# Altium PCB VOU_SOM_CV_V0.0.1.PcbDoc (part 3 of 4) (continued)
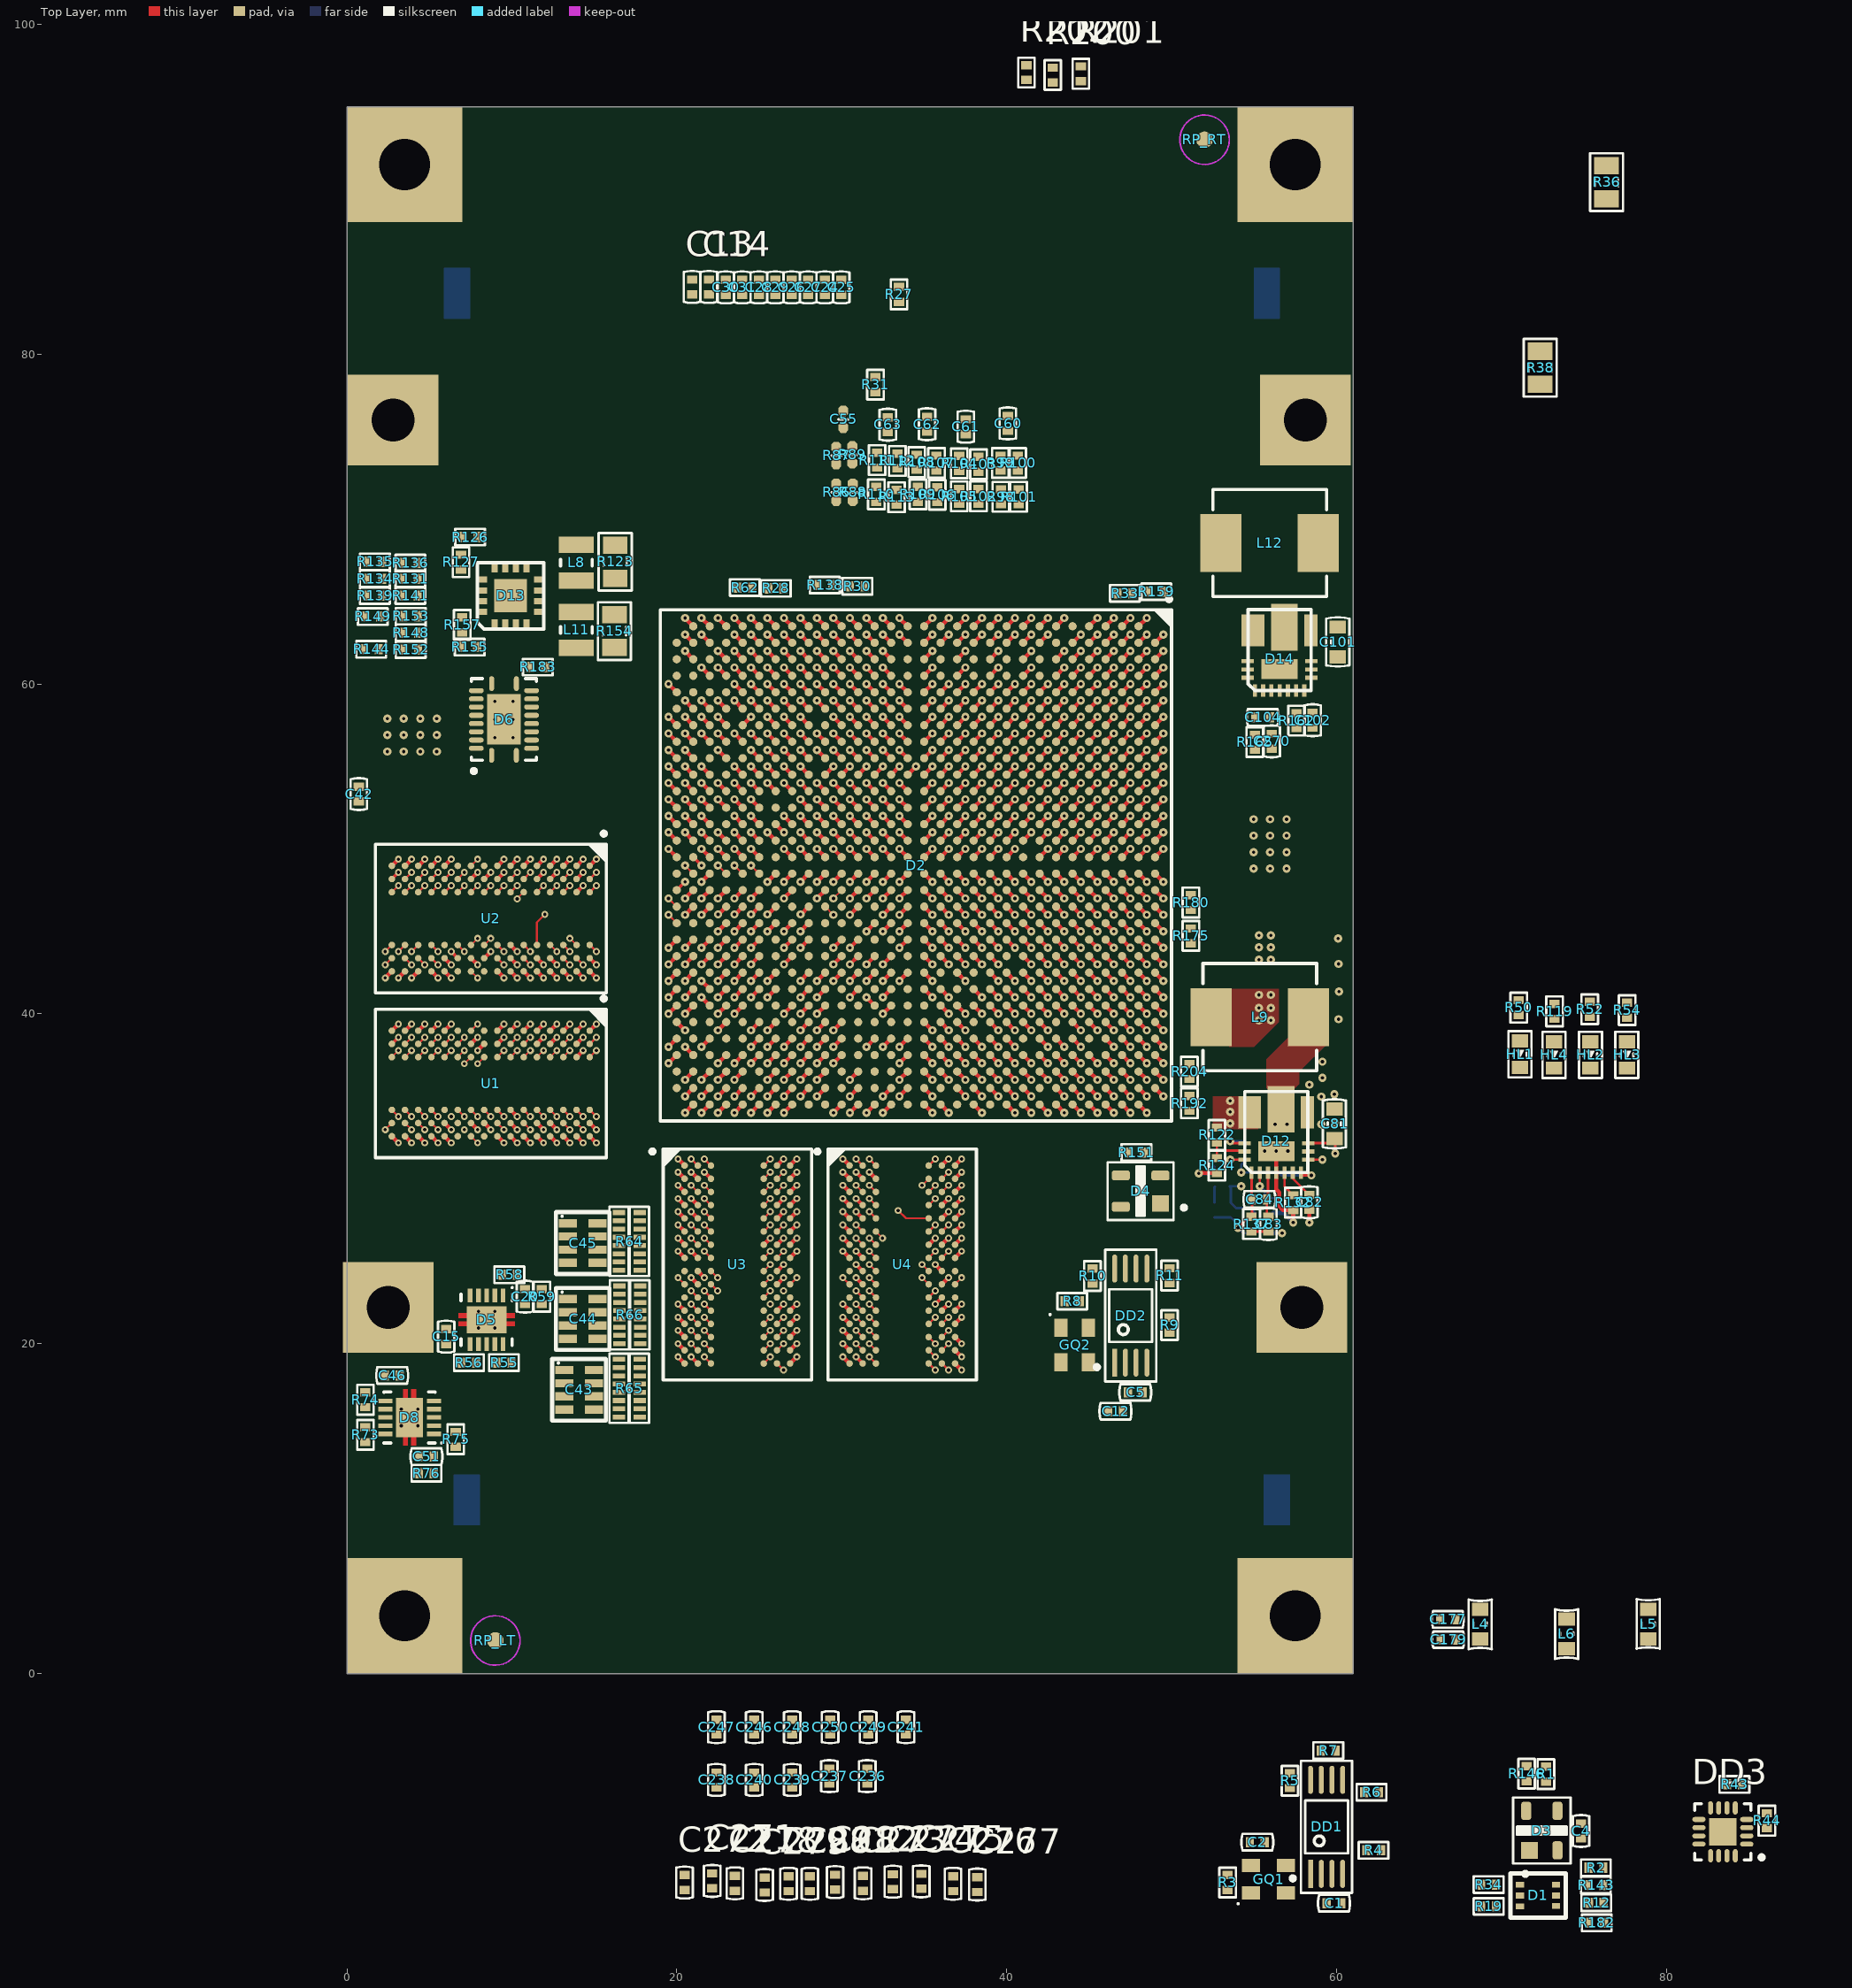
[diagram p0: Top Layer view]
## Nets (pads, with @x,y where several pads share a name; then routed paths per layer and width w, separated by ;. In a path a pad name is that pad's centre, name@x,y a point inside that pad or via, vN(x,y) a via of type N, cw(c..) or ccw(c..) an arc to the next point about the centre after c; other vN are vias at no path point) (continued)
  Top Layer w0.25: v2(2.325,42.175) U2.T9@2.725,42.575 ; U1.T9@2.725,32.575 v2(3.125,32.175) ; U1.T1@2.725,38.975 v2(3.125,39.375) ; U2.T1@2.725,48.975 v2(3.125,49.375) ; v2(3.925,42.175) U2.P9@4.325,42.575 ; U1.P9@4.325,32.575 v2(4.725,32.175) ; U1.P1@4.325,38.975 v2(4.725,39.375) ; U2.P1@4.325,48.975 v2(4.725,49.375) ; U1.M9@5.925,32.575 v2(6.325,32.175) ; U1.M1@5.925,38.975 v2(6.325,39.375) ; U2.M9@5.925,42.575 v2(6.325,42.175) ; U2.M1@5.925,48.975 v2(6.325,49.375) ; v2(7.925,37.775) U1.J2@8.325,38.175 ; U1.J8@8.325,33.375 v2(8.725,32.975) ; U2.J8@8.325,43.375 v2(8.725,43.775) ; U2.J2@8.325,48.175 v2(8.725,48.575) ; U1.G9@9.925,32.575 v2(10.325,32.175) ; U1.G8@9.925,33.375 v2(10.325,32.975) ; U1.G1@9.925,38.975 v2(10.325,39.375) ; U2.G9@9.925,42.575 v2(10.325,42.175) ; U2.G8@9.925,43.375 v2(10.325,42.975) ; U2.G1@9.925,48.975 v2(10.325,49.375) ; U1.F9@10.725,32.575 v2(11.125,32.175) ; U2.F9@10.725,42.575 v2(11.125,42.175) ; U1.E8@11.525,33.375 v2(11.925,32.975) ; U1.E2@11.525,38.175 v2(11.925,38.575) ; U1.E1@11.525,38.975 v2(11.925,39.375) ; U2.E8@11.525,43.375 v2(11.925,42.975) ; U2.E2@11.525,48.175 v2(11.925,48.575) ; U2.E1@11.525,48.975 v2(11.925,49.375) ; U1.D8@12.325,33.375 v2(12.725,32.975) ; U1.D1@12.325,38.975 v2(12.725,39.375) ; U2.D8@12.325,43.375 v2(12.725,42.975) ; U2.D1@12.325,48.975 v2(12.725,49.375) ; U1.B9@13.925,32.575 v2(14.325,32.175) ; U1.B3@13.925,37.375 v2(14.325,37.775) ; U1.B1@13.925,38.975 v2(14.325,39.375) ; U2.B9@13.925,42.575 v2(14.325,42.175) ; U2.B3@13.925,47.375 v2(14.325,47.775) ; U2.B1@13.925,48.975 v2(14.325,49.375) ; U1.A9@14.725,32.575 v2(15.125,32.175) ; U2.A9@14.725,42.575 v2(15.125,42.175) ; v1(19.5,50) D2.AK15@20,49.5 ; v1(19.5,60) D2.AK5@20,59.5 ; D2.AK25@20,39.5 v1(20.5,39) ; v2(20.075,19.2) U3.T1@20.475,18.8 ; v2(20.075,20.8) U3.P1@20.475,20.4 ; v2(20.075,22.4) U3.M1@20.475,22 ; v2(20.075,26.4) U3.G1@20.475,26 ; v2(20.075,28) U3.E1@20.475,27.6 ; v2(20.075,28.8) U3.D1@20.475,28.4 ; v2(20.075,30.4) U3.B1@20.475,30 ; v1(20.5,34) D2.AJ30@21,34.5 ; v1(20.5,36) D2.AJ28@21,36.5 ; v1(20.5,42) D2.AJ22@21,42.5 ; v1(20.5,46) D2.AJ18@21,46.5 ; v1(20.5,55) D2.AJ10@21,54.5 ; v1(20.5,58) D2.AJ7@21,57.5 ; v1(20.5,62) D2.AJ3@21,61.5 ; v2(20.875,28) U3.E2@21.275,27.6 ; U3.J2@21.275,24.4 v2(21.675,24) ; v1(21.5,36) D2.AH28@22,36.5 ; v1(21.5,43) D2.AH21@22,43.5 ; v1(21.5,54) D2.AH11@22,53.5 ; v1(21.5,59) D2.AH6@22,58.5 ; v1(21.5,64) D2.AH1@22,63.5 ; v2(21.675,30.4) U3.B3@22.075,30 ; v1(22.5,40) D2.AG24@23,40.5 ; v1(22.5,51) D2.AG14@23,50.5 ; v1(22.5,56) D2.AG9@23,55.5 ; v1(23.5,37) D2.AF27@24,37.5 ; v1(23.5,47) D2.AF17@24,47.5 ; v1(23.5,50) D2.AF15@24,49.5 ; v1(23.5,53) D2.AF12@24,52.5 ; v1(23.5,62) D2.AF3@24,61.5 ; v1(23.5,63) D2.AF2@24,62.5 ; v1(23.5,64) D2.AF1@24,63.5 ; v1(24.5,44) D2.AE20@25,44.5 ; v1(24.5,55) D2.AE10@25,54.5 ; v1(24.5,61) D2.AE4@25,60.5 ; v1(24.5,62) D2.AE3@25,61.5 ; v1(25.5,41) D2.AD23@26,41.5 ; v1(25.5,59) D2.AD6@26,58.5 ; v1(25.5,60) D2.AD5@26,59.5 ; v1(25.5,63) D2.AD2@26,62.5 ; v1(25.5,64) D2.AD1@26,63.5 ; U3.J8@26.075,24.4 v2(26.475,24.8) ; U3.G8@26.075,26 v2(26.475,26.4) ; U3.E8@26.075,27.6 v2(26.475,28) ; U3.D8@26.075,28.4 v2(26.475,28.8) ; v1(26.5,38) D2.AC26@27,38.5 ; v1(26.5,40) D2.AC24@27,40.5 ; v1(26.5,48) D2.AC16@27,48.5 ; v1(26.5,57) D2.AC8@27,56.5 ; v1(26.5,59) D2.AC6@27,58.5 ; v1(26.5,61) D2.AC4@27,60.5 ; v1(26.5,62) D2.AC3@27,61.5 ; U3.T9@26.875,18.8 v2(27.275,19.2) ; U3.P9@26.875,20.4 v2(27.275,20.8) ; U3.M9@26.875,22 v2(27.275,22.4) ; U3.G9@26.875,26 v2(27.275,26.4) ; U3.F9@26.875,26.8 v2(27.275,27.2) ; U3.B9@26.875,30 v2(27.275,30.4) ; U3.A9@26.875,30.8 v2(27.275,31.2) ; v1(27.5,35) D2.AB29@28,35.5 ; v1(27.5,45) D2.AB19@28,45.5 ; v1(27.5,58) D2.AB7@28,57.5 ; v1(27.5,60) D2.AB5@28,59.5 ; v1(27.5,63) D2.AB2@28,62.5 ; v1(27.5,64) D2.AB1@28,63.5 ; v1(28.5,35) D2.AA29@29,35.5 ; v1(28.5,42) D2.AA22@29,42.5 ; v1(28.5,54) D2.AA11@29,53.5 ; v1(28.5,56) D2.AA9@29,55.5 ; v1(28.5,59) D2.AA6@29,58.5 ; v1(28.5,61) D2.AA4@29,60.5 ; v1(28.5,62) D2.AA3@29,61.5 ; v1(29.5,34) D2.Y30@30,34.5 ; v1(29.5,37) D2.Y27@30,37.5 ; v1(29.5,39) D2.Y25@30,39.5 ; v1(29.5,44) D2.Y20@30,44.5 ; v1(29.5,50) D2.Y15@30,49.5 ; v1(29.5,51) D2.Y14@30,50.5 ; v1(29.5,53) D2.Y12@30,52.5 ; v1(29.5,57) D2.Y8@30,56.5 ; v1(29.5,58) D2.Y7@30,57.5 ; v1(29.5,60) D2.Y5@30,59.5 ; v1(29.5,63) D2.Y2@30,62.5 ; v1(29.5,64) D2.Y1@30,63.5 ; D2.Y10@30,54.5 v1(30.5,55) ; v2(30.075,19.2) U4.T1@30.475,18.8 ; v2(30.075,20.8) U4.P1@30.475,20.4 ; v2(30.075,22.4) U4.M1@30.475,22 ; v2(30.075,26.4) U4.G1@30.475,26 ; v2(30.075,28) U4.E1@30.475,27.6 ; v2(30.075,28.8) U4.D1@30.475,28.4 ; v2(30.075,30.4) U4.B1@30.475,30 ; v1(30.5,36) D2.W28@31,36.5 ; v1(30.5,46) D2.W18@31,46.5 ; v1(30.5,52) D2.W13@31,51.5 ; v1(30.5,54) D2.W11@31,53.5 ; v1(30.5,56) D2.W9@31,55.5 ; v1(30.5,59) D2.W6@31,58.5 ; v1(30.5,61) D2.W4@31,60.5 ; v1(30.5,62) D2.W3@31,61.5 ; v2(30.875,24.8) U4.J2@31.275,24.4 ; v2(30.875,28) U4.E2@31.275,27.6 ; v1(31.5,43) D2.V21@32,43.5 ; v1(31.5,45) D2.V19@32,45.5 ; v1(31.5,51) D2.V14@32,50.5 ; v1(31.5,53) D2.V12@32,52.5 ; v1(31.5,58) D2.V7@32,57.5 ; v1(31.5,60) D2.V5@32,59.5 ; v1(31.5,63) D2.V2@32,62.5 ; v1(31.5,64) D2.V1@32,63.5 ; v2(31.675,30.4) U4.B3@32.075,30 ; D2.V10@32,54.5 v1(32.5,55) ; v1(32.5,35) D2.U29@33,35.5 ; v1(32.5,40) D2.U24@33,40.5 ; v1(32.5,42) D2.U22@33,42.5 ; v1(32.5,47) D2.U17@33,47.5 ; v1(32.5,50) D2.U15@33,49.5 ; v1(32.5,52) D2.U13@33,51.5 ; v1(32.5,54) D2.U11@33,53.5 ; v1(32.5,56) D2.U9@33,55.5 ; v1(32.5,59) D2.U6@33,58.5 ; v1(32.5,61) D2.U4@33,60.5 ; v1(32.5,62) D2.U3@33,61.5 ; v1(33.5,37) D2.T27@34,37.5 ; v1(33.5,44) D2.T20@34,44.5 ; v1(33.5,46) D2.T18@34,46.5 ; v1(33.5,48) D2.T16@34,48.5 ; v1(33.5,50) D2.T15@34,49.5 ; v1(33.5,51) D2.T14@34,50.5 ; v1(33.5,53) D2.T12@34,52.5 ; v1(33.5,58) D2.T7@34,57.5 ; v1(33.5,60) D2.T5@34,59.5 ; v1(33.5,63) D2.T2@34,62.5 ; v1(33.5,64) D2.T1@34,63.5 ; D2.T10@34,54.5 v1(34.5,55) ; D2.R30@35,34.5 v1(35.5,34) ; D2.R17@35,47.5 v1(35.5,47) ; D2.R15@35,49.5 v1(35.5,50) ; D2.R13@35,51.5 v1(35.5,52) ; D2.R11@35,53.5 v1(35.5,54) ; D2.R9@35,55.5 v1(35.5,56) ; D2.R8@35,56.5 v1(35.5,57) ; D2.R6@35,58.5 v1(35.5,59) ; D2.R4@35,60.5 v1(35.5,61) ; D2.R3@35,61.5 v1(35.5,62) ; v2(35.675,24.8) U4.J8@36.075,24.4 ; D2.P20@36,44.5 v1(36.5,44) ; D2.P18@36,46.5 v1(36.5,46) ; D2.P16@36,48.5 v1(36.5,48) ; D2.P14@36,50.5 v1(36.5,51) ; D2.P12@36,52.5 v1(36.5,53) ; D2.P10@36,54.5 v1(36.5,55) ; D2.P7@36,57.5 v1(36.5,58) ; D2.P5@36,59.5 v1(36.5,60) ; D2.P2@36,62.5 v1(36.5,63) ; D2.P1@36,63.5 v1(36.5,64) ; U4.G8@36.075,26 v2(36.475,26.4) ; U4.E8@36.075,27.6 v2(36.475,28) ; U4.D8@36.075,28.4 v2(36.475,28.8) ; U4.T9@36.875,18.8 v2(37.275,18.4) ; U4.P9@36.875,20.4 v2(37.275,20) ; U4.M9@36.875,22 v2(37.275,22.4) ; U4.G9@36.875,26 v2(37.275,26.4) ; U4.F9@36.875,26.8 v2(37.275,27.2) ; U4.B9@36.875,30 v2(37.275,30.4) ; U4.A9@36.875,30.8 v2(37.275,31.2) ; D2.N26@37,38.5 v1(37.5,38) ; D2.N19@37,45.5 v1(37.5,45) ; D2.N17@37,47.5 v1(37.5,47) ; D2.N15@37,49.5 v1(37.5,50) ; D2.N13@37,51.5 v1(37.5,52) ; D2.N11@37,53.5 v1(37.5,54) ; D2.N9@37,55.5 v1(37.5,56) ; D2.N8@37,56.5 v1(37.5,57) ; D2.N6@37,58.5 v1(37.5,59) ; D2.N4@37,60.5 v1(37.5,61) ; D2.N3@37,61.5 v1(37.5,62) ; D2.M29@38,35.5 v1(38.5,35) ; D2.M20@38,44.5 v1(38.5,44) ; D2.M18@38,46.5 v1(38.5,46) ; D2.M16@38,48.5 v1(38.5,48) ; D2.M14@38,50.5 v1(38.5,51) ; D2.M12@38,52.5 v1(38.5,53) ; D2.M10@38,54.5 v1(38.5,55) ; D2.M8@38,56.5 v1(38.5,57) ; D2.M7@38,57.5 v1(38.5,58) ; D2.M5@38,59.5 v1(38.5,60) ; D2.M2@38,62.5 v1(38.5,63) ; D2.M1@38,63.5 v1(38.5,64) ; D2.L22@39,42.5 v1(39.5,42) ; D2.L19@39,45.5 v1(39.5,45) ; D2.L17@39,47.5 v1(39.5,47) ; D2.L15@39,49.5 v1(39.5,50) ; D2.L13@39,51.5 v1(39.5,52) ; D2.L11@39,53.5 v1(39.5,54) ; D2.L6@39,58.5 v1(39.5,59) ; D2.L4@39,60.5 v1(39.5,61) ; D2.L3@39,61.5 v1(39.5,62) ; D2.K25@40,39.5 v1(40.5,39) ; D2.K20@40,44.5 v1(40.5,44) ; D2.K15@40,49.5 v1(40.5,50) ; D2.K10@40,54.5 v1(40.5,55) ; D2.K5@40,59.5 v1(40.5,60) ; D2.K2@40,62.5 v1(40.5,63) ; D2.K1@40,63.5 v1(40.5,64) ; D2.J28@41,36.5 v1(41.5,36) ; D2.J22@41,42.5 v1(41.5,42) ; D2.J18@41,46.5 v1(41.5,46) ; D2.J8@41,56.5 v1(41.5,57) ; D2.J6@41,58.5 v1(41.5,59) ; D2.J4@41,60.5 v1(41.5,61) ; D2.J3@41,61.5 v1(41.5,62) ; D2.H11@42,53.5 v1(42.5,54) ; D2.H5@42,59.5 v1(42.5,60) ; D2.H2@42,62.5 v1(42.5,63) ; D2.H1@42,63.5 v1(42.5,64) ; D2.G24@43,40.5 v1(43.5,40) ; D2.G5@43,59.5 v1(43.5,60) ; D2.G4@43,60.5 v1(43.5,61) ; D2.G3@43,61.5 v1(43.5,62) ; D2.F27@44,37.5 v1(44.5,37) ; D2.F17@44,47.5 v1(44.5,47) ; D2.F7@44,57.5 v1(44.5,58) ; D2.F5@44,59.5 v1(44.5,60) ; D2.F2@44,62.5 v1(44.5,63) ; D2.E30@45,34.5 v1(45.5,34) ; D2.E25@45,39.5 v1(45.5,39) ; D2.E22@45,42.5 v1(45.5,42) ; D2.E10@45,54.5 v1(45.5,55) ; D2.D26@46,38.5 v1(46.5,38) ; D2.D23@46,41.5 v1(46.5,41) ; D2.D13@46,51.5 v1(46.5,52) ; D2.D3@46,61.5 v1(46.5,62) ; D2.C26@47,38.5 v1(47.5,38) ; D2.C21@47,43.5 v1(47.5,43) ; D2.C16@47,48.5 v1(47.5,48) ; D2.C6@47,58.5 v1(47.5,59) ; D2.C1@47,63.5 v1(47.5,64) ; D2.B29@48,35.5 v1(48.5,35) ; D2.B24@48,40.5 v1(48.5,40) ; D2.B19@48,45.5 v1(48.5,45) ; D2.B14@48,50.5 v1(48.5,51) ; D2.B10@48,54.5 v1(48.5,55) ; D2.B9@48,55.5 v1(48.5,56) ; D2.A27@49,37.5 v1(49.5,37) ; D2.A26@49,38.5 v1(49.5,38) ; D2.A22@49,42.5 v1(49.5,42) ; D2.A17@49,47.5 v1(49.5,47) ; D2.A12@49,52.5 v1(49.5,53) ; D2.A2@49,62.5 v1(49.5,63) ; v1@51.775,30.325 v1(51.65,30.325) 51.675,30.35 R124.1@52.75,30.35
  Bottom Layer w0.25: v1(51.65,30.325) 52.15,30.325 C69.2@52.55,30.725
  other v1: 3.3,15.025 4.3,15.025 3.3,16.025 4.3,16.025 7.975,20.95 8.975,20.95 7.975,21.95 8.975,21.95 59.075,33.3 59.9,33.375 59.075,34.975 59.875,35.125 58.35,35.7 59.15,36.125 59.15,37.1 60.125,39.675 60.15,41.35 60.125,43.025 60.1,44.575
GND_A: C82.1 D12.4 D12.17 R132.2 R140.1 R142.1 R150.2 | length 8.1
  Top Layer w0.25: v1(56.35,31.675) D12.4@56.35,30.375 56.35,29.35 56.525,29.175 56.525,28.325 56.75,28.1 R132.2@57.375,28.1 v1(57.375,27.35) ; v1(58.35,27.35) C82.1@58.35,28.125
  Bottom Layer w0.25: R140.1@55.95,26.7 v1(56.7,26.7) ; R142.1@56.15,27.925 56.8,27.925 v1(57.375,27.35)
  other v1: 55.65,31.675 57.05,31.675
GND_B: C102.1 D14.4 D14.17 R162.2 R166.1 R167.1 R168.2
GXB_REF_C_CKO_N: C14.1 D2.W7 | length 0.7
  Top Layer w0.25: v1(30.5,58) D2.W7@31,57.5
GXB_REF_C_CKO_P: C13.1 D2.W8 | length 0.7
  Top Layer w0.25: v1(30.5,57) D2.W8@31,56.5
GXB_REF_CKI_N: D2.T8 X2.120 | length 0.7
  Top Layer w0.25: v1(33.5,57) D2.T8@34,56.5
GXB_REF_CKI_P: D2.T9 X2.124 | length 0.7
  Top Layer w0.25: v1(33.5,56) D2.T9@34,55.5
GXB_REF_CKO_N: C14.2 X2.121
GXB_REF_CKO_P: C13.2 X2.125
GXB_RXA0_N: D2.L1 X2.88 | length 0.7
  Top Layer w0.25: D2.L1@39,63.5 v1(39.5,64)
GXB_RXA0_P: D2.L2 X2.92 | length 0.7
  Top Layer w0.25: D2.L2@39,62.5 v1(39.5,63)
GXB_RXA1_N: D2.N1 X2.96 | length 0.7
  Top Layer w0.25: D2.N1@37,63.5 v1(37.5,64)
GXB_RXA1_P: D2.N2 X2.100 | length 0.7
  Top Layer w0.25: D2.N2@37,62.5 v1(37.5,63)
GXB_RXA2_N: D2.R1 X2.104 | length 0.7
  Top Layer w0.25: D2.R1@35,63.5 v1(35.5,64)
GXB_RXA2_P: D2.R2 X2.108 | length 0.7
  Top Layer w0.25: D2.R2@35,62.5 v1(35.5,63)
GXB_RXA3_N: D2.U1 X2.112 | length 0.7
  Top Layer w0.25: v1(32.5,64) D2.U1@33,63.5
GXB_RXA3_P: D2.U2 X2.116 | length 0.7
  Top Layer w0.25: v1(32.5,63) D2.U2@33,62.5
GXB_TXA0_N: C25.2 X2.89
GXB_TXA0_P: C24.2 X2.93
GXB_TXA1_N: C27.2 X2.97
GXB_TXA1_P: C26.2 X2.101
GXB_TXA2_N: C29.2 X2.105
GXB_TXA2_P: C28.2 X2.109
GXB_TXA3_N: C31.2 X2.113
GXB_TXA3_P: C30.2 X2.117
GXB_TXA_C0_N: C25.1 D2.V3 | length 0.7
  Top Layer w0.25: v1(31.5,62) D2.V3@32,61.5
GXB_TXA_C0_P: C24.1 D2.V4 | length 0.7
  Top Layer w0.25: v1(31.5,61) D2.V4@32,60.5
GXB_TXA_C1_N: C27.1 D2.Y3 | length 0.7
  Top Layer w0.25: v1(29.5,62) D2.Y3@30,61.5
GXB_TXA_C1_P: C26.1 D2.Y4 | length 0.7
  Top Layer w0.25: v1(29.5,61) D2.Y4@30,60.5
GXB_TXA_C2_N: C29.1 D2.AB3 | length 0.7
  Top Layer w0.25: v1(27.5,62) D2.AB3@28,61.5
GXB_TXA_C2_P: C28.1 D2.AB4 | length 0.7
  Top Layer w0.25: v1(27.5,61) D2.AB4@28,60.5
GXB_TXA_C3_N: C31.1 D2.AD3 | length 0.7
  Top Layer w0.25: v1(25.5,62) D2.AD3@26,61.5
GXB_TXA_C3_P: C30.1 D2.AD4 | length 0.7
  Top Layer w0.25: v1(25.5,61) D2.AD4@26,60.5
HPS_BSL0: D2.H20 R16.11 R63.2 | length 0.7
  Top Layer w0.25: D2.H20@42,44.5 v1(42.5,44)
HPS_BSL1: D2.A18 D9.1 R175.2 R180.1 | length 0.7
  Top Layer w0.25: D2.A18@49,46.5 v1(49.5,46)
HPS_BSL2: D2.D20 R174.2 | length 0.7
  Top Layer w0.25: D2.D20@46,44.5 v1(46.5,44)
HPS_CAN0_RX: D2.B22 R22.11 | length 0.7
  Top Layer w0.25: D2.B22@48,42.5 v1(48.5,42)
HPS_CAN0_RX_R: R22.6 X1.71
HPS_CAN0_TX: D2.G22 R22.12 | length 0.7
  Top Layer w0.25: D2.G22@43,42.5 v1(43.5,42)
HPS_CAN0_TX_R: R22.5 X1.73
HPS_CAN1_RX: D2.A24 R22.13 | length 0.7
  Top Layer w0.25: D2.A24@49,40.5 v1(49.5,40)
HPS_CAN1_RX_R: R22.4 X1.72
HPS_CAN1_TX: D2.G21 R22.14 | length 0.7
  Top Layer w0.25: D2.G21@43,43.5 v1(43.5,43)
HPS_CAN1_TX_R: R22.3 X1.74
HPS_CLK_25_1: D2.D25 R9.2 | length 0.7
  Top Layer w0.25: D2.D25@46,39.5 v1(46.5,39)
HPS_CLK_25_2: D2.F25 R10.2 | length 0.7
  Top Layer w0.25: D2.F25@44,39.5 v1(44.5,39)
HPS_DDR_A0: D2.F26 R64.8 U3.N3 U4.N3 | length 1.8
  Top Layer w0.12: v2(21.675,21.6) U3.N3@22.075,21.2 ; v2(31.675,21.6) U4.N3@32.075,21.2
  Top Layer w0.25: D2.F26@44,38.5 v1(44.5,38)
HPS_DDR_A1: D2.G30 R64.7 U3.P7 U4.P7 | length 1.8
  Top Layer w0.12: U3.P7@25.275,20.4 v2(25.675,20.8) ; U4.P7@35.275,20.4 v2(35.675,20)
  Top Layer w0.25: D2.G30@43,34.5 v1(43.5,34)
HPS_DDR_A2: D2.F28 R64.6 U3.P3 U4.P3 | length 1.8
  Top Layer w0.12: v2(21.675,20.8) U3.P3@22.075,20.4 ; v2(31.675,20.8) U4.P3@32.075,20.4
  Top Layer w0.25: D2.F28@44,36.5 v1(44.5,36)
HPS_DDR_A3: D2.F30 R64.5 U3.N2 U4.N2 | length 1.8
  Top Layer w0.12: v2(20.875,21.6) U3.N2@21.275,21.2 ; v2(30.875,21.6) U4.N2@31.275,21.2
  Top Layer w0.25: D2.F30@44,34.5 v1(44.5,34)
HPS_DDR_A4: D2.J25 R64.4 U3.P8 U4.P8 | length 1.8
  Top Layer w0.12: U3.P8@26.075,20.4 v2(26.475,20.8) ; U4.P8@36.075,20.4 v2(36.475,20.8)
  Top Layer w0.25: D2.J25@41,39.5 v1(41.5,39)
HPS_DDR_A5: D2.J27 R64.3 U3.P2 U4.P2 | length 1.8
  Top Layer w0.12: v2(20.875,20.8) U3.P2@21.275,20.4 ; v2(30.875,20.8) U4.P2@31.275,20.4
  Top Layer w0.25: D2.J27@41,37.5 v1(41.5,37)
HPS_DDR_A6: D2.F29 R64.2 U3.R8 U4.R8 | length 1.8
  Top Layer w0.12: U3.R8@26.075,19.6 v2(26.475,20) ; U4.R8@36.075,19.6 v2(36.475,20)
  Top Layer w0.25: D2.F29@44,35.5 v1(44.5,35)
HPS_DDR_A7: D2.E28 R64.1 U3.R2 U4.R2 | length 1.8
  Top Layer w0.12: v2(20.875,20) U3.R2@21.275,19.6 ; v2(30.875,20) U4.R2@31.275,19.6
  Top Layer w0.25: D2.E28@45,36.5 v1(45.5,36)
HPS_DDR_A8: D2.G26 R65.7 U3.T8 U4.T8 | length 1.8
  Top Layer w0.12: U3.T8@26.075,18.8 v2(26.475,18.4) ; U4.T8@36.075,18.8 v2(36.475,18.4)
  Top Layer w0.25: D2.G26@43,38.5 v1(43.5,38)
HPS_DDR_A9: D2.H27 R65.8 U3.R3 U4.R3 | length 1.8
  Top Layer w0.12: v2(21.675,20) U3.R3@22.075,19.6 ; v2(31.675,20) U4.R3@32.075,19.6
  Top Layer w0.25: D2.H27@42,37.5 v1(42.5,37)
HPS_DDR_A10: D2.D29 R65.6 U3.L7 U4.L7 | length 1.8
  Top Layer w0.12: U3.L7@25.275,22.8 v2(25.675,23.2) ; U4.L7@35.275,22.8 v2(35.675,23.2)
  Top Layer w0.25: D2.D29@46,35.5 v1(46.5,35)
HPS_DDR_A11: D2.C30 R65.5 U3.R7 U4.R7 | length 1.8
  Top Layer w0.12: U3.R7@25.275,19.6 v2(25.675,20) ; U4.R7@35.275,19.6 v2(35.675,19.2)
  Top Layer w0.25: D2.C30@47,34.5 v1(47.5,34)
HPS_DDR_A12: D2.B30 R65.4 U3.N7 U4.N7 | length 1.8
  Top Layer w0.12: U3.N7@25.275,21.2 v2(25.675,21.6) ; U4.N7@35.275,21.2 v2(35.675,21.6)
  Top Layer w0.25: D2.B30@48,34.5 v1(48.5,34)
HPS_DDR_A13: D2.C29 R65.3 U3.T3 U4.T3 | length 1.8
  Top Layer w0.12: v2(21.675,19.2) U3.T3@22.075,18.8 ; v2(31.675,19.2) U4.T3@32.075,18.8
  Top Layer w0.25: D2.C29@47,35.5 v1(47.5,35)
HPS_DDR_A14: D2.H25 R65.2 U3.T7 U4.T7 | length 1.8
  Top Layer w0.12: U3.T7@25.275,18.8 v2(25.675,19.2) ; U4.T7@35.275,18.8 v2(35.675,18.4)
  Top Layer w0.25: D2.H25@42,39.5 v1(42.5,39)
HPS_DDR_BA0: D2.E29 R65.1 U3.M2 U4.M2 | length 1.8
  Top Layer w0.12: v2(20.875,22.4) U3.M2@21.275,22 ; v2(30.875,22.4) U4.M2@31.275,22
  Top Layer w0.25: D2.E29@45,35.5 v1(45.5,35)
HPS_DDR_BA1: D2.J24 R66.8 U3.N8 U4.N8 | length 1.8
  Top Layer w0.12: U3.N8@26.075,21.2 v2(26.475,21.6) ; U4.N8@36.075,21.2 v2(36.475,21.6)
  Top Layer w0.25: D2.J24@41,40.5 v1(41.5,40)
HPS_DDR_BA2: D2.J23 R66.7 U3.M3 U4.M3 | length 1.8
  Top Layer w0.12: v2(21.675,22.4) U3.M3@22.075,22 ; v2(31.675,22.4) U4.M3@32.075,22
  Top Layer w0.25: D2.J23@41,41.5 v1(41.5,41)
HPS_DDR_CAS#: D2.E27 R66.4 U3.K3 U4.K3 | length 1.8
  Top Layer w0.12: U3.K3@22.075,23.6 v2(22.475,23.2) ; v2(31.675,24) U4.K3@32.075,23.6
  Top Layer w0.25: D2.E27@45,37.5 v1(45.5,37)
HPS_DDR_CK_H_N: D2.L23 R67.1 U3.K7 U4.K7 | length 1.8
  Top Layer w0.1: v2(34.875,24) U4.K7@35.275,23.6
  Top Layer w0.12: U3.K7@25.275,23.6 v2(25.675,24)
  Top Layer w0.25: D2.L23@39,41.5 v1(39.5,41)
HPS_DDR_CK_H_P: D2.M23 R67.2 U3.J7 U4.J7 | length 1.8
  Top Layer w0.1: v2(34.875,24.8) U4.J7@35.275,24.4
  Top Layer w0.12: U3.J7@25.275,24.4 v2(25.675,24.8)
  Top Layer w0.25: D2.M23@38,41.5 v1(38.5,41)
HPS_DDR_CKE: D2.L29 R66.6 R72.2 U3.K9 U4.K9 | length 1.8
  Top Layer w0.12: U3.K9@26.875,23.6 v2(27.275,24) ; U4.K9@36.875,23.6 v2(37.275,24)
  Top Layer w0.25: D2.L29@39,35.5 v1(39.5,35)
HPS_DDR_CS#: D2.H24 R66.2 U3.L2 U4.L2 | length 1.8
  Top Layer w0.12: v2(20.875,23.2) U3.L2@21.275,22.8 ; v2(30.875,23.2) U4.L2@31.275,22.8
  Top Layer w0.25: D2.H24@42,40.5 v1(42.5,40)
HPS_DDR_D0: D2.K23 U4.E3 | length 1.3
  Top Layer w0.12: v2(31.675,28) U4.E3@32.075,27.6
  Top Layer w0.25: D2.K23@40,41.5 v1(40.5,41)
HPS_DDR_D1: D2.K22 U4.F7 | length 1.3
  Top Layer w0.12: U4.F7@35.275,26.8 v2(35.675,27.2)
  Top Layer w0.25: D2.K22@40,42.5 v1(40.5,42)
HPS_DDR_D2: D2.H30 U4.F2 | length 1.3
  Top Layer w0.12: v2(30.875,27.2) U4.F2@31.275,26.8
  Top Layer w0.25: D2.H30@42,34.5 v1(42.5,34)
HPS_DDR_D3: D2.G28 U4.F8 | length 1.3
  Top Layer w0.12: U4.F8@36.075,26.8 v2(36.475,27.2)
  Top Layer w0.25: D2.G28@43,36.5 v1(43.5,36)
HPS_DDR_D4: D2.L25 U4.H3 | length 1.3
  Top Layer w0.12: v2(31.675,25.6) U4.H3@32.075,25.2
  Top Layer w0.25: D2.L25@39,39.5 v1(39.5,39)
HPS_DDR_D5: D2.L24 U4.H8 | length 1.3
  Top Layer w0.12: U4.H8@36.075,25.2 v2(36.475,25.6)
  Top Layer w0.25: D2.L24@39,40.5 v1(39.5,40)
HPS_DDR_D6: D2.J30 U4.G2 | length 1.3
  Top Layer w0.12: v2(30.875,26.4) U4.G2@31.275,26
  Top Layer w0.25: D2.J30@41,34.5 v1(41.5,34)
HPS_DDR_D7: D2.J29 U4.H7 | length 1.3
  Top Layer w0.12: U4.H7@35.275,25.2 v2(35.675,25.6)
  Top Layer w0.25: D2.J29@41,35.5 v1(41.5,35)
HPS_DDR_D8: D2.K26 U4.D7 | length 1.3
  Top Layer w0.12: U4.D7@35.275,28.4 v2(35.675,28.8)
  Top Layer w0.25: D2.K26@40,38.5 v1(40.5,38)
HPS_DDR_D9: D2.L26 U4.C3 | length 1.3
  Top Layer w0.12: v2(31.675,29.6) U4.C3@32.075,29.2
  Top Layer w0.25: D2.L26@39,38.5 v1(39.5,38)
HPS_DDR_D10: D2.K29 U4.C8 | length 1.3
  Top Layer w0.12: U4.C8@36.075,29.2 v2(36.475,29.6)
  Top Layer w0.25: D2.K29@40,35.5 v1(40.5,35)
HPS_DDR_D11: D2.K27 U4.C2 | length 1.3
  Top Layer w0.12: v2(30.875,29.6) U4.C2@31.275,29.2
  Top Layer w0.25: D2.K27@40,37.5 v1(40.5,37)
HPS_DDR_D12: D2.M26 U4.A7 | length 1.3
  Top Layer w0.12: U4.A7@35.275,30.8 v2(35.675,31.2)
  Top Layer w0.25: D2.M26@38,38.5 v1(38.5,38)
HPS_DDR_D13: D2.M27 U4.A2 | length 1.3
  Top Layer w0.12: v2(30.875,31.2) U4.A2@31.275,30.8
  Top Layer w0.25: D2.M27@38,37.5 v1(38.5,37)
HPS_DDR_D14: D2.L28 U4.B8 | length 1.3
  Top Layer w0.12: U4.B8@36.075,30 v2(36.475,30.4)
  Top Layer w0.25: D2.L28@39,36.5 v1(39.5,36)
HPS_DDR_D15: D2.M30 U4.A3 | length 1.3
  Top Layer w0.12: v2(31.675,31.2) U4.A3@32.075,30.8
  Top Layer w0.25: D2.M30@38,34.5 v1(38.5,34)
HPS_DDR_D16: D2.U26 U3.E3 | length 1.3
  Top Layer w0.12: v2(21.675,28) U3.E3@22.075,27.6
  Top Layer w0.25: v1(32.5,38) D2.U26@33,38.5
HPS_DDR_D17: D2.T26 U3.F7 | length 1.3
  Top Layer w0.12: U3.F7@25.275,26.8 v2(25.675,27.2)
  Top Layer w0.25: v1(33.5,38) D2.T26@34,38.5
HPS_DDR_D18: D2.N29 U3.F2 | length 1.3
  Top Layer w0.12: v2(20.875,27.2) U3.F2@21.275,26.8
  Top Layer w0.25: D2.N29@37,35.5 v1(37.5,35)
HPS_DDR_D19: D2.N28 U3.F8 | length 1.3
  Top Layer w0.12: U3.F8@26.075,26.8 v2(26.475,27.2)
  Top Layer w0.25: D2.N28@37,36.5 v1(37.5,36)
HPS_DDR_D20: D2.P26 U3.H3 | length 1.3
  Top Layer w0.12: v2(21.675,25.6) U3.H3@22.075,25.2
  Top Layer w0.25: D2.P26@36,38.5 v1(36.5,38)
HPS_DDR_D21: D2.P27 U3.H8 | length 1.3
  Top Layer w0.12: U3.H8@26.075,25.2 v2(26.475,25.6)
  Top Layer w0.25: D2.P27@36,37.5 v1(36.5,37)
HPS_DDR_D22: D2.N27 U3.G2 | length 1.3
  Top Layer w0.12: v2(20.875,26.4) U3.G2@21.275,26
  Top Layer w0.25: D2.N27@37,37.5 v1(37.5,37)
HPS_DDR_D23: D2.R29 U3.H7 | length 1.3
  Top Layer w0.12: U3.H7@25.275,25.2 v2(25.675,25.6)
  Top Layer w0.25: D2.R29@35,35.5 v1(35.5,35)
HPS_DDR_D24: D2.P24 U3.D7 | length 1.3
  Top Layer w0.12: U3.D7@25.275,28.4 v2(25.675,28.8)
  Top Layer w0.25: D2.P24@36,40.5 v1(36.5,40)
HPS_DDR_D25: D2.P25 U3.C3 | length 1.3
  Top Layer w0.12: v2(21.675,29.6) U3.C3@22.075,29.2
  Top Layer w0.25: D2.P25@36,39.5 v1(36.5,39)
HPS_DDR_D26: D2.T29 U3.C8 | length 1.3
  Top Layer w0.12: U3.C8@26.075,29.2 v2(26.475,29.6)
  Top Layer w0.25: v1(33.5,35) D2.T29@34,35.5
HPS_DDR_D27: D2.T28 U3.C2 | length 1.3
  Top Layer w0.12: v2(20.875,29.6) U3.C2@21.275,29.2
  Top Layer w0.25: v1(33.5,36) D2.T28@34,36.5
HPS_DDR_D28: D2.R27 U3.A7 | length 1.3
  Top Layer w0.12: U3.A7@25.275,30.8 v2(25.675,31.2)
  Top Layer w0.25: D2.R27@35,37.5 v1(35.5,37)
HPS_DDR_D29: D2.R26 U3.A2 | length 1.3
  Top Layer w0.12: v2(20.875,31.2) U3.A2@21.275,30.8
  Top Layer w0.25: D2.R26@35,38.5 v1(35.5,38)
HPS_DDR_D30: D2.V30 U3.B8 | length 1.3
  Top Layer w0.12: U3.B8@26.075,30 v2(26.475,30.4)
  Top Layer w0.25: v1(31.5,34) D2.V30@32,34.5
HPS_DDR_D31: D2.W29 U3.A3 | length 1.3
  Top Layer w0.12: v2(21.675,31.2) U3.A3@22.075,30.8
  Top Layer w0.25: v1(30.5,35) D2.W29@31,35.5
HPS_DDR_DM0: D2.K28 U4.E7 | length 2.8
  Top Layer w0.12: v2(33.425,28.075) 33.9,27.6 U4.E7@35.275,27.6
  Top Layer w0.25: D2.K28@40,36.5 v1(40.5,36)
HPS_DDR_DM1: D2.M28 U4.D3 | length 1.3
  Top Layer w0.12: v2(31.675,28.8) U4.D3@32.075,28.4
  Top Layer w0.25: D2.M28@38,36.5 v1(38.5,36)
HPS_DDR_DM2: D2.R28 U3.E7 | length 1.3
  Top Layer w0.12: U3.E7@25.275,27.6 v2(25.675,28)
  Top Layer w0.25: D2.R28@35,36.5 v1(35.5,36)
HPS_DDR_DM3: D2.W30 U3.D3 | length 1.3
  Top Layer w0.12: v2(21.675,28.8) U3.D3@22.075,28.4
  Top Layer w0.25: v1(30.5,34) D2.W30@31,34.5
HPS_DDR_DQS0_N: D2.M19 U4.G3 | length 1.3
  Top Layer w0.12: v2(31.675,26.4) U4.G3@32.075,26
  Top Layer w0.25: D2.M19@38,45.5 v1(38.5,45)
HPS_DDR_DQS0_P: D2.N18 U4.F3 | length 1.3
  Top Layer w0.1: U4.F3@32.075,26.8 v2(32.475,26.4)
  Top Layer w0.25: D2.N18@37,46.5 v1(37.5,46)
HPS_DDR_DQS1_N: D2.N24 U4.B7 | length 1.3
  Top Layer w0.1: v2(34.875,29.6) U4.B7@35.275,30
  Top Layer w0.25: D2.N24@37,40.5 v1(37.5,40)
HPS_DDR_DQS1_P: D2.N25 U4.C7 | length 1.3
  Top Layer w0.12: U4.C7@35.275,29.2 v2(35.675,29.6)
  Top Layer w0.25: D2.N25@37,39.5 v1(37.5,39)
HPS_DDR_DQS2_N: D2.R18 U3.G3 | length 1.3
  Top Layer w0.12: v2(21.675,26.4) U3.G3@22.075,26
  Top Layer w0.25: D2.R18@35,46.5 v1(35.5,46)
HPS_DDR_DQS2_P: D2.R19 U3.F3 | length 1.3
  Top Layer w0.12: v2(21.675,27.2) U3.F3@22.075,26.8
  Top Layer w0.25: D2.R19@35,45.5 v1(35.5,45)
HPS_DDR_DQS3_N: D2.R21 U3.B7 | length 1.3
  Top Layer w0.12: U3.B7@25.275,30 v2(25.675,30.4)
  Top Layer w0.25: D2.R21@35,43.5 v1(35.5,43)
HPS_DDR_DQS3_P: D2.R22 U3.C7 | length 1.3
  Top Layer w0.12: U3.C7@25.275,29.2 v2(25.675,29.6)
  Top Layer w0.25: D2.R22@35,42.5 v1(35.5,42)
HPS_DDR_ODT: D2.H28 R66.1 U3.K1 U4.K1 | length 1.8
  Top Layer w0.12: v2(20.075,24) U3.K1@20.475,23.6 ; v2(30.075,24) U4.K1@30.475,23.6
  Top Layer w0.25: D2.H28@42,36.5 v1(42.5,36)
HPS_DDR_RAS#: D2.D30 R66.3 U3.J3 U4.J3 | length 1.8
  Top Layer w0.12: U3.J3@22.075,24.4 v2(22.475,24) ; v2(31.675,24.8) U4.J3@32.075,24.4
  Top Layer w0.25: D2.D30@46,34.5 v1(46.5,34)
HPS_DDR_RST#: D2.P30 R71.2 U3.T2 U4.T2 | length 1.8
  Top Layer w0.2: v2(20.875,19.2) U3.T2@21.275,18.8 ; v2(30.875,19.2) U4.T2@31.275,18.8
  Top Layer w0.25: D2.P30@36,34.5 v1(36.5,34)
HPS_DDR_WE#: D2.C28 R66.5 U3.L3 U4.L3 | length 1.8
  Top Layer w0.12: v2(21.675,23.2) U3.L3@22.075,22.8 ; v2(31.675,23.2) U4.L3@32.075,22.8
  Top Layer w0.25: D2.C28@47,36.5 v1(47.5,36)
HPS_FLASH_D0: D2.C20 D9.5 | length 0.7
  Top Layer w0.25: D2.C20@47,44.5 v1(47.5,44)
HPS_FLASH_D1: D2.H18 D9.2 | length 0.7
  Top Layer w0.25: D2.H18@42,46.5 v1(42.5,46)
HPS_FLASH_D2: D2.A19 D9.3 | length 0.7
  Top Layer w0.25: D2.A19@49,45.5 v1(49.5,45)
HPS_FLASH_D3: D2.E19 D9.7 | length 0.7
  Top Layer w0.25: D2.E19@45,45.5 v1(45.5,45)
HPS_FLASH_DCLK: D2.D19 R194.2 | length 0.7
  Top Layer w0.25: D2.D19@46,45.5 v1(46.5,45)
HPS_GPIO0: D2.C19 R25.11 | length 0.7
  Top Layer w0.25: D2.C19@47,45.5 v1(47.5,45)
HPS_GPIO0_R: R25.6 X1.106
HPS_GPIO1: D2.B17 R25.12 | length 0.7
  Top Layer w0.25: D2.B17@48,47.5 v1(48.5,47)
HPS_GPIO1_R: R25.5 X1.153
HPS_GPIO2: D2.H17 R25.13 | length 0.7
  Top Layer w0.25: D2.H17@42,47.5 v1(42.5,47)
HPS_GPIO2_R: R25.4 X1.155
HPS_GPIO3: D2.C18 R25.14 | length 0.7
  Top Layer w0.25: D2.C18@47,46.5 v1(47.5,46)
HPS_GPIO3_R: R25.3 X1.157